# KiCad board rabbit_mask_capacitors.kicad_pcb (continued)
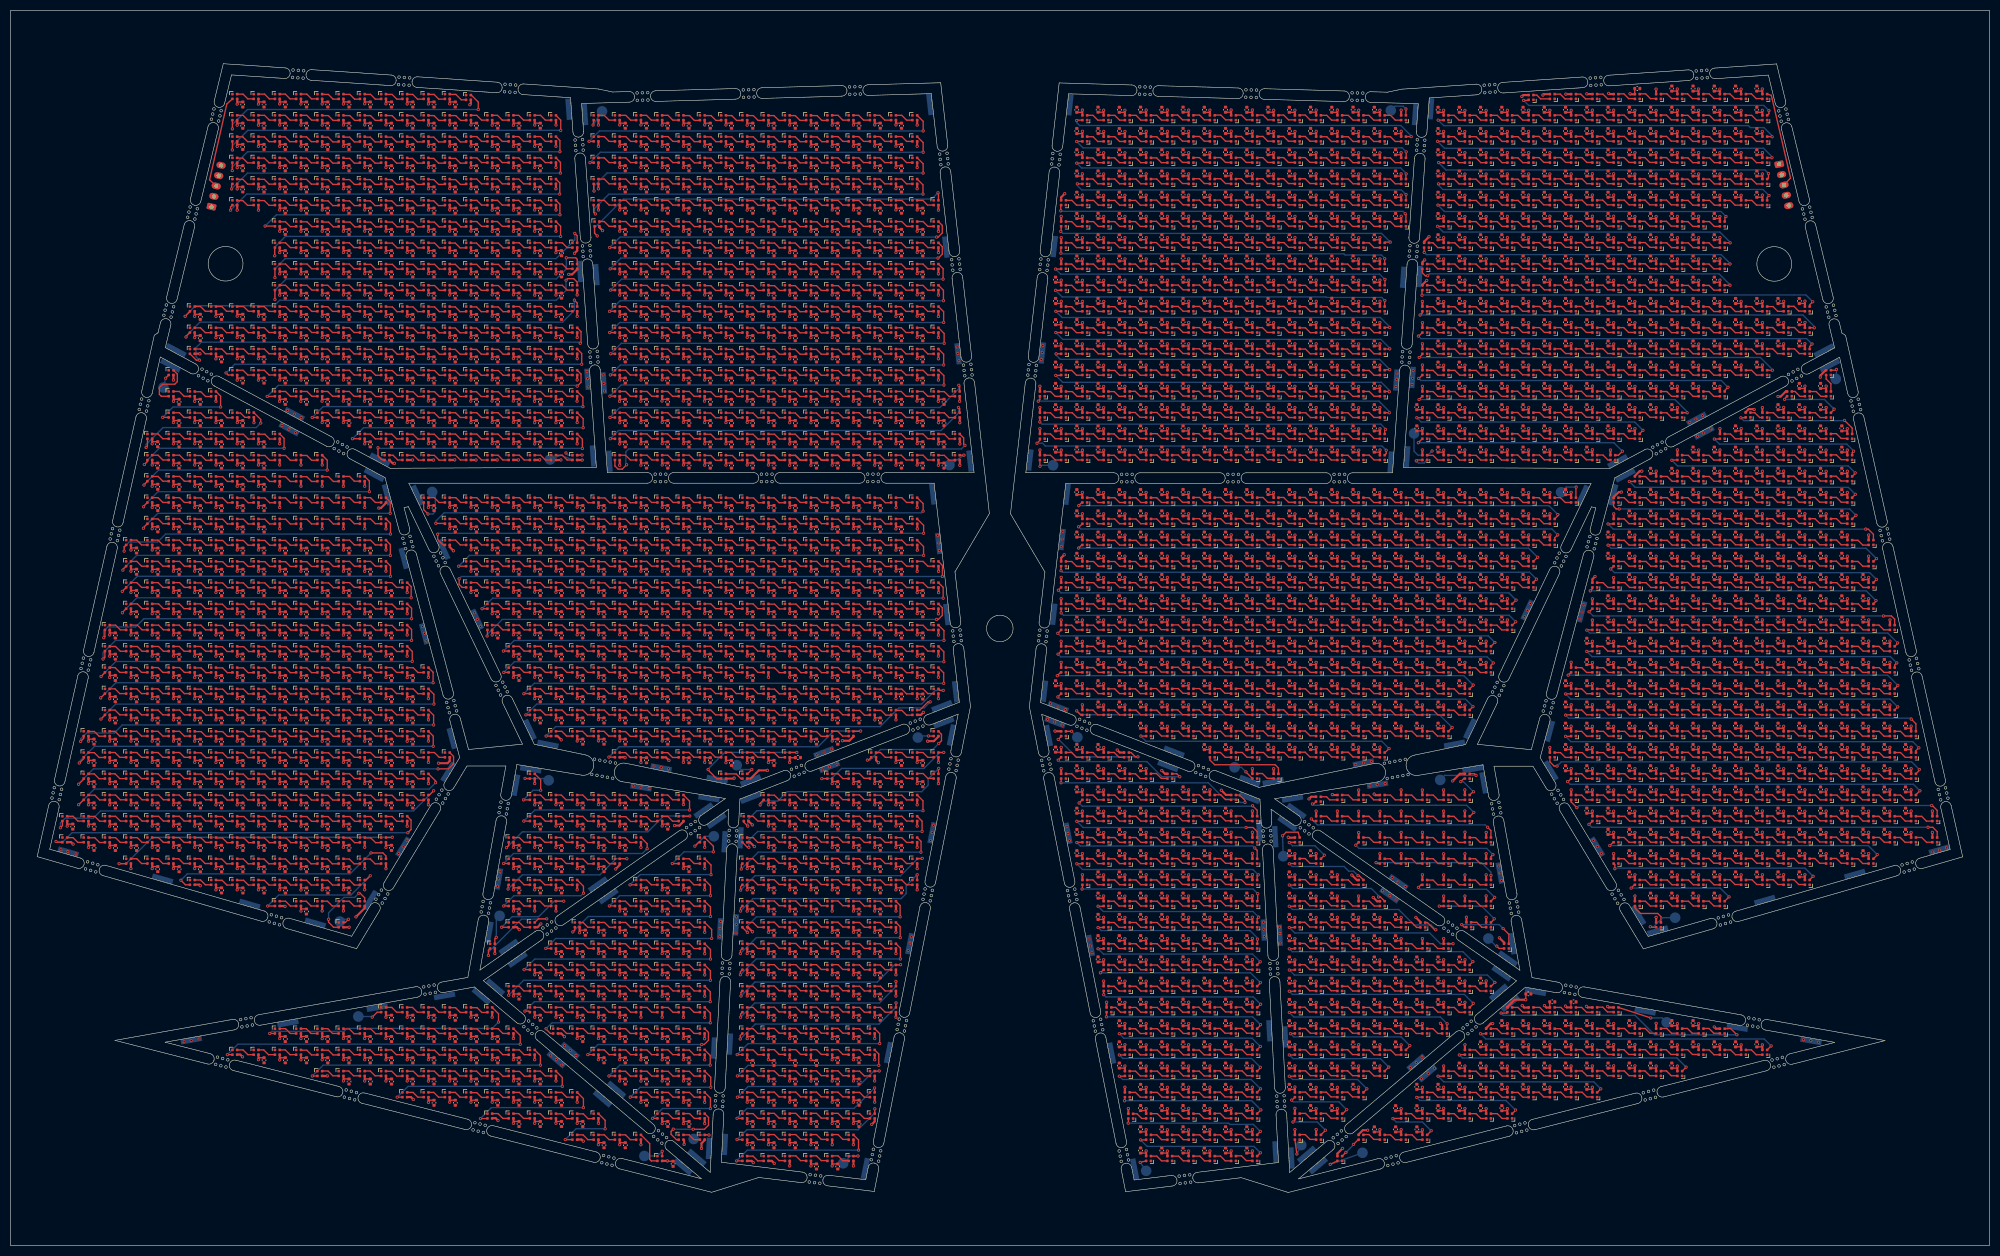
[diagram p0: board, top side]
C1485#1625.2 C1485#1626.2 C1485#1627.2 C1485#1628.2 C1485#1629.2 C1485#1630.2 C1485#1631.2 C1485#1632.2 C1485#1633.2 C1485#1634.2 C1485#1635.2 C1485#1636.2 C1485#1637.2 C1485#1638.2 C1485#1639.2 C1485#1640.2 C1485#1641.2 C1485#1642.2 C1485#1643.2 C1485#1644.2 C1485#1645.2 C1485#1646.2 C1485#1647.2 C1485#1648.2 C1485#1649.2 C1485#1650.2 C1485#1651.2 C1485#1652.2 C1485#1653.2 C1485#1654.2 C1485#1655.2 C1485#1656.2 C1485#1657.2 C1485#1658.2 C1485#1659.2 C1485#1660.2 C1485#1661.2 C1485#1662.2 C1485#1663.2 C1485#1664.2 C1485#1665.2 C1485#1666.2 C1485#1667.2 C1485#1668.2 C1485#1669.2 C1485#1670.2 C1485#1671.2 C1485#1672.2 C1485#1673.2 C1485#1674.2 C1485#1675.2 C1485#1676.2 C1485#1677.2 C1485#1678.2 C1485#1679.2 C1485#1680.2 C1485#1681.2 C1485#1682.2 C1485#1683.2 C1485#1684.2 C1485#1685.2 C1485#1686.2 C1485#1687.2 C1485#1688.2 C1485#1689.2 C1485#1690.2 C1485#1691.2 C1485#1692.2 C1485#1693.2 C1485#1694.2 C1485#1695.2 C1485#1696.2 C1485#1697.2 C1485#1698.2 C1485#1699.2 C1485#1700.2 C1485#1701.2 C1485#1702.2 C1485#1703.2 C1485#1704.2 C1485#1705.2 C1485#1706.2 C1485#1707.2 C1485#1708.2 C1485#1709.2 C1485#1710.2 C1485#1711.2 C1485#1712.2 C1485#1713.2 C1485#1714.2 C1485#1715.2 C1485#1716.2 C1485#1717.2 C1485#1718.2 C1485#1719.2 C1485#1720.2 C1485#1721.2 C1485#1722.2 C1485#1723.2 C1485#1724.2 C1485#1725.2 C1485#1726.2 C1485#1727.2 C1485#1728.2 C1485#1729.2 C1485#1730.2 C1485#1731.2 C1485#1732.2 C1485#1733.2 C1485#1734.2 C1485#1735.2 C1485#1736.2 C1485#1737.2 C1485#1738.2 C1485#1739.2 C1485#1740.2 C1485#1741.2 C1485#1742.2 C1485#1743.2 C1485#1744.2 C1485#1745.2 C1485#1746.2 C1485#1747.2 C1485#1748.2 C1485#1749.2 C1485#1750.2 C1485#1751.2 C1485#1752.2 C1485#1753.2 C1485#1754.2 C1485#1755.2 C1485#1756.2 C1485#1757.2 C1485#1758.2 C1485#1759.2 C1485#1760.2 C1485#1761.2 C1485#1762.2 C1485#1763.2 C1485#1764.2 C1485#1765.2 C1485#1766.2 C1485#1767.2 C1485#1768.2 C1485#1769.2 C1485#1770.2 C1485#1771.2 C1485#1772.2 C1485#1773.2 C1485#1774.2 C1485#1775.2 C1485#1776.2 C1485#1777.2 C1485#1778.2 C1485#1779.2 C1485#1780.2 C1485#1781.2 C1485#1782.2 C1485#1783.2 C1485#1784.2 C1485#1785.2 C1485#1786.2 C1485#1787.2 C1485#1788.2 C1485#1789.2 C1485#1790.2 C1485#1791.2 C1485#1792.2 C1485#1793.2 C1485#1794.2 C1485#1795.2 C1485#1796.2 C1485#1797.2 C1485#1798.2 C1485#1799.2 C1485#1800.2 C1485#1801.2 C1485#1802.2 C1485#1803.2 C1485#1804.2 C1485#1805.2 C1485#1806.2 C1485#1807.2 C1485#1808.2 C1485#1809.2 C1485#1810.2 C1485#1811.2 C1485#1812.2 C1485#1813.2 C1485#1814.2 C1485#1815.2 C1485#1816.2 C1485#1817.2 C1485#1818.2 C1485#1819.2 C1485#1820.2 C1485#1821.2 C1485#1822.2 C1485#1823.2 C1485#1824.2 C1485#1825.2 C1485#1826.2 C1485#1827.2 C1485#1828.2 C1485#1829.2 C1485#1830.2 C1485#1831.2 C1485#1832.2 C1485#1833.2 C1485#1834.2 C1485#1835.2 C1485#1836.2 C1485#1837.2 C1485#1838.2 C1485#1839.2 C1485#1840.2 C1485#1841.2 C1485#1842.2 C1485#1843.2 C1485#1844.2 C1485#1845.2 C1485#1846.2 C1485#1847.2 C1485#1848.2 C1485#1849.2 C1485#1850.2 C1485#1851.2 C1485#1852.2 C1485#1853.2 C1485#1854.2 C1485#1855.2 C1485#1856.2 C1485#1857.2 C1485#1858.2 C1485#1859.2 C1485#1860.2 C1485#1861.2 C1485#1862.2 C1485#1863.2 C1485#1864.2 C1485#1865.2 C1485#1866.2 C1485#1867.2 C1485#1868.2 C1485#1869.2 C1485#1870.2 C1485#1871.2 C1485#1872.2 C1485#1873.2 C1485#1874.2 C1485#1875.2 C1485#1876.2 C1485#1877.2 C1485#1878.2 C1485#1879.2 C1485#1880.2 C1485#1881.2 C1485#1882.2 C1485#1883.2 C1485#1884.2 C1485#1885.2 C1485#1886.2 C1485#1887.2 C1485#1888.2 C1485#1889.2 C1485#1890.2 C1485#1891.2 C1485#1892.2 C1485#1893.2 C1485#1894.2 C1485#1895.2 C1485#1896.2 C1485#1897.2 C1485#1898.2 C1485#1899.2 C1485#1900.2 C1485#1901.2 C1485#1902.2 C1485#1903.2 C1485#1904.2 C1485#1905.2 C1485#1906.2 C1485#1907.2 C1485#1908.2 C1485#1909.2 C1485#1910.2 C1485#1911.2 C1485#1912.2 C1485#1913.2 C1485#1914.2 C1485#1915.2 C1485#1916.2 C1485#1917.2 C1485#1918.2 C1485#1919.2 C1485#1920.2 C1485#1921.2 C1485#1922.2 C1485#1923.2 C1485#1924.2 C1485#1925.2 C1485#1926.2 C1485#1927.2 C1485#1928.2 C1485#1929.2 C1485#1930.2 C1485#1931.2 C1485#1932.2 C1485#1933.2 C1485#1934.2 C1485#1935.2 C1485#1936.2 C1485#1937.2 C1485#1938.2 C1485#1939.2 C1485#1940.2 C1485#1941.2 C1485#1942.2 C1485#1943.2 C1485#1944.2 C1485#1945.2 C1485#1946.2 C1485#1947.2 C1485#1948.2 C1485#1949.2 C1485#1950.2 C1485#1951.2 C1485#1952.2 C1485#1953.2 C1485#1954.2 C1485#1955.2 C1485#1956.2 C1485#1957.2 C1485#1958.2 C1485#1959.2 C1485#1960.2 C1485#1961.2 C1485#1962.2 C1485#1963.2 C1485#1964.2 C1485#1965.2 C1485#1966.2 C1485#1967.2 C1485#1968.2 C1485#1969.2 C1485#1970.2 C1485#1971.2 C1485#1972.2 C1485#1973.2 C1485#1974.2 C1485#1975.2 C1485#1976.2 C1485#1977.2 C1485#1978.2 C1485#1979.2 C1485#1980.2 C1485#1981.2 C1485#1982.2 C1485#1983.2 C1485#1984.2 C1485#1985.2 C1485#1986.2 C1485#1987.2 C1485#1988.2 C1485#1989.2 C1485#1990.2 C1485#1991.2 C1485#1992.2 C1485#1993.2 C1485#1994.2 C1485#1995.2 C1485#1996.2 C1485#1997.2 C1485#1998.2 C1485#1999.2 C1485#2000.2 C1485#2001.2 C1485#2002.2 C1485#2003.2 C1485#2004.2 C1485#2005.2 C1485#2006.2 C1485#2007.2 C1485#2008.2 C1485#2009.2 C1485#2010.2 C1485#2011.2 C1485#2012.2 C1485#2013.2 C1485#2014.2 C1485#2015.2 C1485#2016.2 C1485#2017.2 C1485#2018.2 C1485#2019.2 C1485#2020.2 C1485#2021.2 C1485#2022.2 C1485#2023.2 C1485#2024.2 C1485#2025.2 C1485#2026.2 C1485#2027.2 C1485#2028.2 C1485#2029.2 C1485#2030.2 C1485#2031.2 C1485#2032.2 C1485#2033.2 C1485#2034.2 C1485#2035.2 C1485#2036.2 C1485#2037.2 C1485#2038.2 C1485#2039.2 C1485#2040.2 C1485#2041.2 C1485#2042.2 C1485#2043.2 C1485#2044.2 C1485#2045.2 C1485#2046.2 C1485#2047.2 C1485#2048.2 C1485#2049.2 C1485#2050.2 C1485#2051.2 C1485#2052.2 C1485#2053.2 C1485#2054.2 C1485#2055.2 C1485#2056.2 C1485#2057.2 C1485#2058.2 C1485#2059.2 C1485#2060.2 C1485#2061.2 C1485#2062.2 C1485#2063.2 C1485#2064.2 C1485#2065.2 C1485#2066.2 C1485#2067.2 C1485#2068.2 C1485#2069.2 C1485#2070.2 C1485#2071.2 C1485#2072.2 C1485#2073.2 C1485#2074.2 C1485#2075.2 C1485#2076.2 C1485#2077.2 C1485#2078.2 C1485#2079.2 C1485#2080.2 C1485#2081.2 C1485#2082.2 C1485#2083.2 C1485#2084.2 C1485#2085.2 C1485#2086.2 C1485#2087.2 C1485#2088.2 C1485#2089.2 C1485#2090.2 C1485#2091.2 C1485#2092.2 C1485#2093.2 C1485#2094.2 C1485#2095.2 C1485#2096.2 C1485#2097.2 C1485#2098.2 C1485#2099.2 C1485#2100.2 C1485#2101.2 C1485#2102.2 C1485#2103.2 C1485#2104.2 C1485#2105.2 C1485#2106.2 C1485#2107.2 C1485#2108.2 C1485#2109.2 C1485#2110.2 C1485#2111.2 C1485#2112.2 C1485#2113.2 C1485#2114.2 C1485#2115.2 C1485#2116.2 C1485#2117.2 C1485#2118.2 C1485#2119.2 C1485#2120.2 C1485#2121.2 C1485#2122.2 C1485#2123.2 C1485#2124.2 C1485#2125.2 C1485#2126.2 C1485#2127.2 C1485#2128.2 C1485#2129.2 C1485#2130.2 C1485#2131.2 C1485#2132.2 C1485#2133.2 C1485#2134.2 C1485#2135.2 C1485#2136.2 C1485#2137.2 C1485#2138.2 C1485#2139.2 C1485#2140.2 C1485#2141.2 C1485#2142.2 C1485#2143.2 C1485#2144.2 C1485#2145.2 C1485#2146.2 C1485#2147.2 C1485#2148.2 C1485#2149.2 C1485#2150.2 C1485#2151.2 C1485#2152.2 C1485#2153.2 C1485#2154.2 C1485#2155.2 C1485#2156.2 C1485#2157.2 C1485#2158.2 C1485#2159.2 C1485#2160.2 C1485#2161.2 C1485#2162.2 C1485#2163.2 C1485#2164.2 C1485#2165.2 C1485#2166.2 C1485#2167.2 C1485#2168.2 C1485#2169.2 C1485#2170.2 C1485#2171.2 C1485#2172.2 C1485#2173.2 C1485#2174.2 C1485#2175.2 C1485#2176.2 C1485#2177.2 C1485#2178.2 C1485#2179.2 C1485#2180.2 C1485#2181.2 C1485#2182.2 C1485#2183.2 C1485#2184.2 C1485#2185.2 C1485#2186.2 C1485#2187.2 C1485#2188.2 C1485#2189.2 C1485#2190.2 C1485#2191.2 C1485#2192.2 C1485#2193.2 C1485#2194.2 C1485#2195.2 C1485#2196.2 C1485#2197.2 C1485#2198.2 C1485#2199.2 C1485#2200.2 C1485#2201.2 C1485#2202.2 C1485#2203.2 C1485#2204.2 C1485#2205.2 C1485#2206.2 C1485#2207.2 C1485#2208.2 C1485#2209.2 C1485#2210.2 C1485#2211.2 C1485#2212.2 C1485#2213.2 C1485#2214.2 C1485#2215.2 C1485#2216.2 C1485#2217.2 C1485#2218.2 C1485#2219.2 C1485#2220.2 C1485#2221.2 C1485#2222.2 C1485#2223.2 C1485#2224.2 C1485#2225.2 C1485#2226.2 C1485#2227.2 C1485#2228.2 C1485#2229.2 C1485#2230.2 C1485#2231.2 C1485#2232.2 C1485#2233.2 C1485#2234.2 C1485#2235.2 C1485#2236.2 C1485#2237.2 C1485#2238.2 C1485#2239.2 C1485#2240.2 C1485#2241.2 C1485#2242.2 C1485#2243.2 C1485#2244.2 C1485#2245.2 C1485#2246.2 C1485#2247.2 C1485#2248.2 C1485#2249.2 C1485#2250.2 C1485#2251.2 C1485#2252.2 C1485#2253.2 C1485#2254.2 C1485#2255.2 C1485#2256.2 C1485#2257.2 C1485#2258.2 C1485#2259.2 C1485#2260.2 C1485#2261.2 C1485#2262.2 C1485#2263.2 C1485#2264.2 C1485#2265.2 C1485#2266.2 C1485#2267.2 C1485#2268.2 C1485#2269.2 C1485#2270.2 C1485#2271.2 C1485#2272.2 C1485#2273.2 C1485#2274.2 C1485#2275.2 C1485#2276.2 C1485#2277.2 C1485#2278.2 C1485#2279.2 C1485#2280.2 C1485#2281.2 C1485#2282.2 C1485#2283.2 C1485#2284.2 C1485#2285.2 C1485#2286.2 C1485#2287.2 C1485#2288.2 C1485#2289.2 C1485#2290.2 C1485#2291.2 C1485#2292.2 C1485#2293.2 C1485#2294.2 C1485#2295.2 C1485#2296.2 C1485#2297.2 C1485#2298.2 C1485#2299.2 C1485#2300.2 C1485#2301.2 C1485#2302.2 C1485#2303.2 C1485#2304.2 C1485#2305.2 C1485#2306.2 C1485#2307.2 C1485#2308.2 C1485#2309.2 C1485#2310.2 C1485#2311.2 C1485#2312.2 C1485#2313.2 C1485#2314.2 C1485#2315.2 C1485#2316.2 C1485#2317.2 C1485#2318.2 C1485#2319.2 C1485#2320.2 C1485#2321.2 C1485#2322.2 C1485#2323.2 C1485#2324.2 C1485#2325.2 C1485#2326.2 C1485#2327.2 C1485#2328.2 C1485#2329.2 C1485#2330.2 C1485#2331.2 C1485#2332.2 C1485#2333.2 C1485#2334.2 C1485#2335.2 C1485#2336.2 C1485#2337.2 C1485#2338.2 C1485#2339.2 C1485#2340.2 C1485#2341.2 C1485#2342.2 C1485#2343.2 C1485#2344.2 C1485#2345.2 C1485#2346.2 C1485#2347.2 C1485#2348.2 C1485#2349.2 C1485#2350.2 C1485#2351.2 C1485#2352.2 C1485#2353.2 C1485#2354.2 C1485#2355.2 C1485#2356.2 C1485#2357.2 C1485#2358.2 C1485#2359.2 C1485#2360.2 C1485#2361.2 C1485#2362.2 C1485#2363.2 C1485#2364.2 C1485#2365.2 C1485#2366.2 C1485#2367.2 C1485#2368.2 C1485#2369.2 C1485#2370.2 C1485#2371.2 C1485#2372.2 C1485#2373.2 C1485#2374.2 C1485#2375.2 C1485#2376.2 C1485#2377.2 C1485#2378.2 C1485#2379.2 C1485#2380.2 C1485#2381.2 C1485#2382.2 C1485#2383.2 C1485#2384.2 C1485#2385.2 C1485#2386.2 C1485#2387.2 C1485#2388.2 C1485#2389.2 C1485#2390.2 C1485#2391.2 C1485#2392.2 C1485#2393.2 C1485#2394.2 C1485#2395.2 C1485#2396.2 C1485#2397.2 C1485#2398.2 C1485#2399.2 C1485#2400.2 C1485#2401.2 C1485#2402.2 C1485#2403.2 C1485#2404.2 C1485#2405.2 C1485#2406.2 C1485#2407.2 C1485#2408.2 C1485#2409.2 C1485#2410.2 C1485#2411.2 C1485#2412.2 C1485#2413.2 C1485#2414.2 C1485#2415.2 C1485#2416.2 C1485#2417.2 C1485#2418.2 C1485#2419.2 C1485#2420.2 C1485#2421.2 C1485#2422.2 C1485#2423.2 C1485#2424.2 C1485#2425.2 C1485#2426.2 C1485#2427.2 C1485#2428.2 C1485#2429.2 C1485#2430.2 C1485#2431.2 C1485#2432.2 C1485#2433.2 C1485#2434.2 C1485#2435.2 C1485#2436.2 C1485#2437.2 C1485#2438.2 C1485#2439.2 C1485#2440.2 C1485#2441.2 C1485#2442.2 C1485#2443.2 C1485#2444.2 C1485#2445.2 C1485#2446.2 C1485#2447.2 C1485#2448.2 C1485#2449.2 C1485#2450.2 C1485#2451.2 C1485#2452.2 C1485#2453.2 C1485#2454.2 C1485#2455.2 C1485#2456.2 C1485#2457.2 C1485#2458.2 C1485#2459.2 C1485#2460.2 C1485#2461.2 C1485#2462.2 C1485#2463.2 C1485#2464.2 C1485#2465.2 C1485#2466.2 C1485#2467.2 C1485#2468.2 C1485#2469.2 C1485#2470.2 C1485#2471.2 C1485#2472.2 C1485#2473.2 C1485#2474.2 C1485#2475.2 C1485#2476.2 C1485#2477.2 C1485#2478.2 C1485#2479.2 C1485#2480.2 C1485#2481.2 C1485#2482.2 C1485#2483.2 C1485#2484.2 C1485#2485.2 C1485#2486.2 C1485#2487.2 C1485#2488.2 C1485#2489.2 C1485#2490.2 C1485#2491.2 C1485#2492.2 C1485#2493.2 C1485#2494.2 C1485#2495.2 C1485#2496.2 C1485#2497.2 C1485#2498.2 C1485#2499.2 C1485#2500.2 C1485#2501.2 C1485#2502.2 C1485#2503.2 C1485#2504.2 C1485#2505.2 C1485#2506.2 C1485#2507.2 C1485#2508.2 C1485#2509.2 C1485#2510.2 C1485#2511.2 C1485#2512.2 C1485#2513.2 C1485#2514.2 C1485#2515.2 C1485#2516.2 C1485#2517.2 C1485#2518.2 C1485#2519.2 C1485#2520.2 C1485#2521.2 C1485#2522.2 C1485#2523.2 C1485#2524.2 C1485#2525.2 C1485#2526.2 C1485#2527.2 C1485#2528.2 C1485#2529.2 C1485#2530.2 C1485#2531.2 C1485#2532.2 C1485#2533.2 C1485#2534.2 C1485#2535.2 C1485#2536.2 C1485#2537.2 C1485#2538.2 C1485#2539.2 C1485#2540.2 C1485#2541.2 C1485#2542.2 C1485#2543.2 C1485#2544.2 C1485#2545.2 C1485#2546.2 C1485#2547.2 C1485#2548.2 C1485#2549.2 C1485#2550.2 C1485#2551.2 C1485#2552.2 C1485#2553.2 C1485#2554.2 C1485#2555.2 C1485#2556.2 C1485#2557.2 C1485#2558.2 C1485#2559.2 C1485#2560.2 C1485#2561.2 C1485#2562.2 C1485#2563.2 C1485#2564.2 C1485#2565.2 C1485#2566.2 C1485#2567.2 C1485#2568.2 C1485#2569.2 C1485#2570.2 C1485#2571.2 C1485#2572.2 C1485#2573.2 C1485#2574.2 C1485#2575.2 C1485#2576.2 C1485#2577.2 C1485#2578.2 C1485#2579.2 C1485#2580.2 C1485#2581.2 C1485#2582.2 C1485#2583.2 C1485#2584.2 C1485#2585.2 C1485#2586.2 C1485#2587.2 C1485#2588.2 C1485#2589.2 C1485#2590.2 C1485#2591.2 C1485#2592.2 C1485#2593.2 C1485#2594.2 C1485#2595.2 C1485#2596.2 C1485#2597.2 C1485#2598.2 C1485#2599.2 C1485#2600.2 C1485#2601.2 C1485#2602.2 C1485#2603.2 C1485#2604.2 C1485#2605.2 C1485#2606.2 C1485#2607.2 C1485#2608.2 C1485#2609.2 C1485#2610.2 C1485#2611.2 C1485#2612.2 C1485#2613.2 C1485#2614.2 C1485#2615.2 C1485#2616.2 C1485#2617.2 C1485#2618.2 C1485#2619.2 C1485#2620.2 C1485#2621.2 C1485#2622.2 C1485#2623.2 C1485#2624.2 C1485#2625.2 C1485#2626.2 D1.4 D2.4 D3.4 D4.4 D5.4 D6.4 D7.4 D8.4 D9.4 D10.4 D11.4 D12.4 D13.4 D14.4 D15.4 D16.4 D17.4 D18.4 D19.4 D20.4 D21.4 D22.4 D23.4 D24.4 D25.4 D26.4 D27.4 D28.4 D29.4 D30.4 D31.4 D32.4 D33.4 D34.4 D35.4 D36.4 D37.4 D38.4 D39.4 D40.4 D41.4 D42.4 D43.4 D44.4 D45.4 D46.4 D47.4 D48.4 D49.4 D50.4 D51.4 D52.4 D53.4 D54.4 D55.4 D56.4 D57.4 D58.4 D59.4 D60.4 D61.4 D62.4 D63.4 D64.4 D65.4 D66.4 D67.4 D68.4 D69.4 D70.4 D71.4 D72.4 D73.4 D74.4 D75.4 D76.4 D77.4 D78.4 D79.4 D80.4 D81.4 D82.4 D83.4 D84.4 D85.4 D86.4 D87.4 D88.4 D89.4 D90.4 D91.4 D92.4 D93.4 D94.4 D95.4 D96.4 D97.4 D98.4 D99.4 D100.4 D101.4 D102.4 D103.4 D104.4 D105.4 D106.4 D107.4 D108.4 D110.4 D111.4 D112.4 D113.4 D114.4 D115.4 D116.4 D117.4 D118.4 D119.4 D120.4 D121.4 D122.4 D123.4 D124.4 D125.4 D126.4 D127.4 D128.4 D129.4 D130.4 D131.4 D132.4 D133.4 D134.4 D135.4 D136.4 D137.4 D138.4 D139.4 D140.4 D141.4 D143.4 D144.4 D145.4 D146.4 D147.4 D148.4 D149.4 D150.4 D151.4 D152.4 D153.4 D154.4 D155.4 D156.4 D157.4 D158.4 D159.4 D160.4 D161.4 D162.4 D163.4 D164.4 D165.4 D166.4 D167.4 D168.4 D169.4 D170.4 D171.4 D172.4 D173.4 D174.4 D175.4 D179.4 D180.4 D181.4 D182.4 D183.4 D184.4 D185.4 D186.4 D187.4 D188.4 D189.4 D190.4 D191.4 D192.4 D193.4 D194.4 D195.4 D196.4 D197.4 D198.4 D199.4 D200.4 D201.4 D202.4 D203.4 D204.4 D205.4 D206.4 D207.4 D208.4 D209.4 D210.4 D211.4 D212.4 D213.4 D214.4 D215.4 D216.4 D217.4 D218.4 D219.4 D220.4 D221.4 D222.4 D223.4 D224.4 D225.4 D226.4 D227.4 D228.4 D229.4 D230.4 D231.4 D232.4 D233.4 D234.4 D235.4 D236.4 D237.4 D238.4 D239.4 D240.4 D241.4 D242.4 D243.4 D244.4 D245.4 D246.4 D247.4 D248.4 D249.4 D250.4 D251.4 D252.4 D253.4 D254.4 D255.4 D256.4 D257.4 D258.4 D259.4 D260.4 D261.4 D262.4 D263.4 D264.4 D265.4 D266.4 D267.4 D268.4 D269.4 D270.4 D271.4 D272.4 D273.4 D274.4 D275.4 D276.4 D277.4 D278.4 D279.4 D280.4 D281.4 D282.4 D283.4 D284.4 D285.4 D286.4 D287.4 D288.4 D289.4 D290.4 D291.4 D292.4 D293.4 D294.4 D295.4 D296.4 D297.4 D298.4 D299.4 D300.4 D301.4 D302.4 D303.4 D304.4 D305.4 D306.4 D307.4 D308.4 D309.4 D310.4 D311.4 D312.4 D313.4 D314.4 D315.4 D316.4 D317.4 D318.4 D319.4 D320.4 D321.4 D322.4 D323.4 D324.4 D325.4 D326.4 D327.4 D328.4 D329.4 D330.4 D331.4 D332.4 D333.4 D334.4 D335.4 D336.4 D337.4 D338.4 D339.4 D340.4 D341.4 D342.4 D343.4 D344.4 D345.4 D346.4 D347.4 D348.4 D349.4 D350.4 D351.4 D352.4 D353.4 D354.4 D355.4 D356.4 D357.4 D358.4 D359.4 D360.4 D361.4 D362.4 D363.4 D364.4 D365.4 D366.4 D367.4 D368.4 D369.4 D370.4 D371.4 D372.4 D373.4 D374.4 D375.4 D376.4 D377.4 D378.4 D379.4 D380.4 D381.4 D382.4 D383.4 D384.4 D385.4 D386.4 D387.4 D388.4 D389.4 D390.4 D391.4 D392.4 D393.4 D394.4 D395.4 D396.4 D397.4 D398.4 D399.4 D400.4 D401.4 D402.4 D403.4 D404.4 D405.4 D406.4 D407.4 D408.4 D409.4 D410.4 D411.4 D412.4 D413.4 D414.4 D415.4 D416.4 D417.4 D418.4 D419.4 D420.4 D421.4 D422.4 D423.4 D424.4 D425.4 D426.4 D427.4 D428.4 D429.4 D430.4 D431.4 D432.4 D433.4 D434.4 D435.4 D436.4 D437.4 D438.4 D439.4 D440.4 D441.4 D442.4 D443.4 D444.4 D445.4 D446.4 D447.4 D448.4 D449.4 D450.4 D451.4 D452.4 D453.4 D454.4 D455.4 D456.4 D457.4 D458.4 D459.4 D460.4 D461.4 D462.4 D463.4 D464.4 D465.4 D466.4 D467.4 D468.4 D469.4 D470.4 D471.4 D472.4 D473.4 D474.4 D475.4 D476.4 D477.4 D478.4 D479.4 D480.4 D481.4 D482.4 D483.4 D484.4 D485.4 D486.4 D487.4 D488.4 D489.4 D490.4 D491.4 D492.4 D493.4 D494.4 D495.4 D496.4 D497.4 D498.4 D499.4 D500.4 D501.4 D502.4 D503.4 D504.4 D505.4 D506.4 D507.4 D508.4 D509.4 D510.4 D511.4 D512.4 D513.4 D514.4 D515.4 D516.4 D517.4 D518.4 D519.4 D520.4 D521.4 D522.4 D523.4 D524.4 D525.4 D526.4 D527.4 D528.4 D529.4 D530.4 D531.4 D532.4 D533.4 D534.4 D535.4 D536.4 D537.4 D538.4 D539.4 D540.4 D541.4 D542.4 D543.4 D544.4 D545.4 D546.4 D547.4 D548.4 D549.4 D550.4 D551.4 D552.4 D553.4 D554.4 D555.4 D556.4 D557.4 D558.4 D559.4 D560.4 D561.4 D562.4 D563.4 D564.4 D565.4 D566.4 D567.4 D568.4 D569.4 D570.4 D571.4 D572.4 D573.4 D574.4 D575.4 D576.4 D577.4 D578.4 D579.4 D580.4 D581.4 D582.4 D583.4 D584.4 D585.4 D586.4 D587.4 D588.4 D589.4 D590.4 D591.4 D592.4 D593.4 D594.4 D595.4 D596.4 D597.4 D598.4 D599.4 D600.4 D601.4 D602.4 D603.4 D604.4 D605.4 D606.4 D607.4 D608.4 D609.4 D610.4 D611.4 D612.4 D613.4 D614.4 D615.4 D616.4 D617.4 D618.4 D619.4 D620.4 D621.4 D622.4 D623.4 D624.4 D625.4 D626.4 D627.4 D628.4 D629.4 D630.4 D631.4 D632.4 D633.4 D634.4 D635.4 D636.4 D637.4 D638.4 D639.4 D640.4 D641.4 D642.4 D643.4 D644.4 D645.4 D646.4 D647.4 D648.4 D649.4 D650.4 D651.4 D652.4 D653.4 D654.4 D655.4 D656.4 D657.4 D658.4 D659.4 D660.4 D661.4 D662.4 D663.4 D664.4 D665.4 D666.4 D667.4 D668.4 D669.4 D670.4 D671.4 D672.4 D673.4 D674.4 D675.4 D676.4 D677.4 D678.4 D679.4 D680.4 D681.4 D682.4 D683.4 D684.4 D685.4 D686.4 D687.4 D688.4 D689.4 D690.4 D691.4 D692.4 D693.4 D694.4 D695.4 D696.4 D697.4 D698.4 D699.4 D700.4 D701.4 D702.4 D703.4 D704.4 D705.4 D706.4 D707.4 D708.4 D709.4 D710.4 D711.4 D712.4 D713.4 D714.4 D715.4 D716.4 D717.4 D718.4 D719.4 D720.4 D721.4 D722.4 D723.4 D724.4 D725.4 D726.4 D727.4 D728.4 D729.4 D730.4 D731.4 D732.4 D733.4 D734.4 D735.4 D736.4 D737.4 D738.4 D739.4 D740.4 D741.4 D742.4 D743.4 D744.4 D745.4 D746.4 D747.4 D748.4 D749.4 D750.4 D751.4 D752.4 D753.4 D754.4 D755.4 D756.4 D757.4 D758.4 D759.4 D760.4 D761.4 D762.4 D763.4 D764.4 D765.4 D766.4 D767.4 D768.4 D769.4 D770.4 D771.4 D772.4 D773.4 D774.4 D775.4 D776.4 D777.4 D778.4 D779.4 D780.4 D781.4 D782.4 D783.4 D784.4 D785.4 D786.4 D787.4 D788.4 D789.4 D790.4 D791.4 D792.4 D793.4 D794.4 D795.4 D796.4 D797.4 D798.4 D799.4 D800.4 D801.4 D802.4 D803.4 D804.4 D805.4 D806.4 D807.4 D808.4 D809.4 D810.4 D811.4 D812.4 D813.4 D814.4 D815.4 D816.4 D817.4 D818.4 D819.4 D820.4 D821.4 D822.4 D823.4 D824.4 D825.4 D826.4 D827.4 D828.4 D829.4 D830.4 D831.4 D832.4 D833.4 D834.4 D835.4 D836.4 D837.4 D838.4 D839.4 D840.4 D841.4 D842.4 D843.4 D844.4 D845.4 D846.4 D847.4 D848.4 D849.4 D850.4 D851.4 D852.4 D853.4 D854.4 D855.4 D856.4 D857.4 D858.4 D859.4 D860.4 D861.4 D862.4 D863.4 D864.4 D865.4 D866.4 D867.4 D868.4 D869.4 D870.4 D871.4 D872.4 D873.4 D874.4 D875.4 D876.4 D877.4 D878.4 D879.4 D880.4 D881.4 D882.4 D883.4 D884.4 D885.4 D886.4 D887.4 D888.4 D889.4 D890.4 D891.4 D892.4 D893.4 D894.4 D895.4 D896.4 D897.4 D898.4 D899.4 D900.4 D901.4 D902.4 D903.4 D904.4 D905.4 D906.4 D907.4 D908.4 D909.4 D910.4 D911.4 D912.4 D913.4 D914.4 D915.4 D916.4 D917.4 D918.4 D919.4 D920.4 D921.4 D922.4 D923.4 D924.4 D925.4 D926.4 D927.4 D928.4 D929.4 D930.4 D931.4 D932.4 D933.4 D934.4 D935.4 D936.4 D937.4 D938.4 D939.4 D940.4 D941.4 D942.4 D943.4 D944.4 D945.4 D946.4 D947.4 D948.4 D949.4 D950.4 D951.4 D952.4 D953.4 D954.4 D955.4 D956.4 D957.4 D958.4 D959.4 D960.4 D961.4 D962.4 D963.4 D964.4 D965.4 D966.4 D967.4 D968.4 D969.4 D970.4 D971.4 D972.4 D973.4 D974.4 D975.4 D976.4 D977.4 D978.4 D979.4 D980.4 D981.4 D982.4 D983.4 D984.4 D985.4 D986.4 D987.4 D988.4 D989.4 D990.4 D991.4 D992.4 D993.4 D994.4 D995.4 D996.4 D997.4 D998.4 D999.4 D1000.4 D1001.4 D1002.4 D1003.4 D1004.4 D1005.4 D1006.4 D1007.4 D1008.4 D1009.4 D1010.4 D1011.4 D1012.4 D1013.4 D1014.4 